# Altium PCB IntelligentCarFor51PcbDoc.PcbDoc (part 5 of 14) (continued)
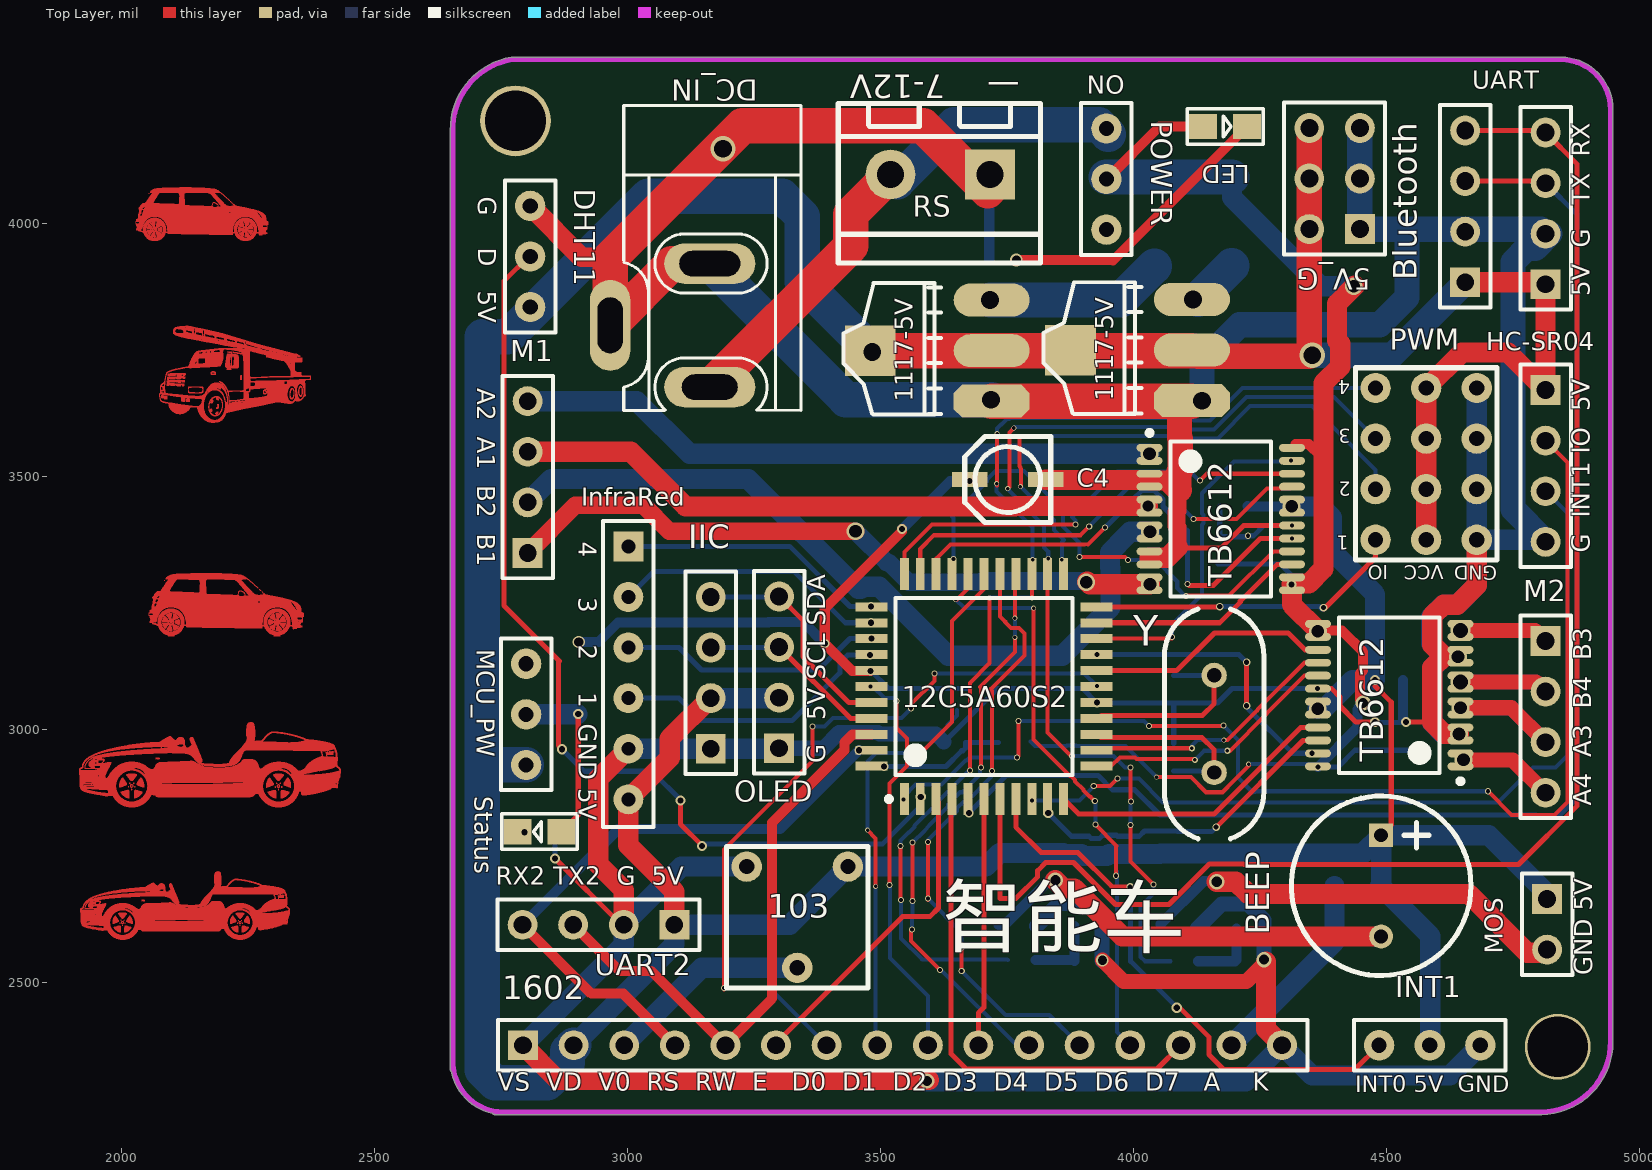
[diagram p0: Top Layer view]
## Nets (pads, with @x,y where several pads share a name; then routed paths per layer and width w, separated by ;. In a path a pad name is that pad's centre, name@x,y a point inside that pad or via, vN(x,y) a via of type N, cw(c..) or ccw(c..) an arc to the next point about the centre after c; other vN are vias at no path point) (continued)
; 2218,4004.5 2225.5,4004.5 ; 2218.1,3716.5 2231.3,3716.5 ; 2218.1,3741.7 2225,3741.7 ; 2218.1,3742 2219.3,3742 ; 2218.1,3742.3 2219.3,3742.3 ; 2218.1,3742.6 2219.3,3742.6 ; 2218.1,3742.9 2219.3,3742.9 ; 2218.1,3743.2 2219.3,3743.2 ; 2218.1,3743.5 2219.3,3743.5 ; 2218.1,3743.8 2219.3,3743.8 ; 2218.1,3744.1 2219.3,3744.1 ; 2218.1,3744.4 2219.3,3744.4 ; 2218.1,3751 2263.7,3751 ; 2218.3,4005.1 2225.8,4005.1 ; 2218.3,4033.3 2236.3,4033.3 ; 2218.3,4041.7 2218.6,4041.7 ; 2218.4,3716.2 2231,3716.2 ; 2218.4,3763.9 2228.9,3763.9 ; 2218.6,4034.8 2224.3,4034.8 ; 2218.6,4041.1 2218.9,4041.1 ; 2218.7,3715.6 2230.7,3715.6 ; 2218.7,3715.9 2231,3715.9 ; 2218.7,3770.8 2239.7,3770.8 ; 2218.9,4031.5 2245.3,4031.5 ; 2219,3646.6 2226.8,3646.6 ; 2219,3760.6 2225.6,3760.6 ; 2219.2,4006.6 2227,4006.6 ; 2219.3,3715.3 2230.4,3715.3 ; 2219.6,3757.3 2254.4,3757.3 ; 2219.6,3763.6 2230.1,3763.6 ; 2219.8,3988.6 2220.4,3988.6 ; 2219.8,4007.8 2224.9,4007.8 ; 2219.9,3753.7 2234.6,3753.7 ; 2220.1,4008.4 2225.5,4008.4 ; 2220.1,4039.9 2220.4,4039.9 ; 2220.2,3715 2228.9,3715 ; 2220.2,3750.7 2264.9,3750.7 ; 2220.2,3770.5 2240.6,3770.5 ; 2220.4,4008.7 2225.8,4008.7 ; 2220.4,4039.6 2220.7,4039.6 ; 2220.5,3742 2223.5,3742 ; 2220.5,3760.3 2227.1,3760.3 ; 2220.7,4000 2223.1,4000 ; 2220.7,4000.3 2223.1,4000.3 ; 2220.7,4009.3 2226.4,4009.3 ; 2220.7,4033.6 2234.5,4033.6 ; 2220.7,4035.1 2224.9,4035.1 ; 2220.7,4039.3 2221,4039.3 ; 2220.8,3646.9 2228.9,3646.9 ; 2220.8,3719.2 2231.6,3719.2 ; 2220.8,3738.4 2231.3,3738.4 ; 2220.8,3763.3 2231.3,3763.3 ; 2221,4009.6 2226.7,4009.6 ; 2221,4039 2221.3,4039 ; 2221.1,3719.5 2231.6,3719.5 ; 2221.1,3745.6 2226.8,3745.6 ; 2221.1,3745.9 2224.7,3745.9 ; 2221.3,4001.5 2223.7,4001.5 ; 2221.3,4009.9 2230.3,4009.9 ; 2221.3,4010.2 2227.3,4010.2 ; 2221.3,4038.7 2221.6,4038.7 ; 2221.4,3719.8 2231.9,3719.8 ; 2221.4,3745.3 2228.6,3745.3 ; 2221.4,3746.2 2222,3746.2 ; 2221.4,3757 2244.2,3757 ; 2221.4,3760 2228.9,3760 ; 2221.4,3770.2 2241.8,3770.2 ; 2221.6,4002.1 2224,4002.1 ; 2221.6,4002.4 2224,4002.4 ; 2221.6,4010.5 2227.6,4010.5 ; 2221.6,4021.3 2221.9,4021.3 ; 2221.6,4024.3 2265.1,4024.3 ; 2221.6,4038.4 2221.9,4038.4 ; 2221.7,3720.1 2231.9,3720.1 ; 2221.7,3720.4 2231.9,3720.4 ; 2221.7,3720.7 2231.9,3720.7 ; 2221.7,3738.1 2231.3,3738.1 ; 2221.9,4002.7 2224.3,4002.7 ; 2221.9,4010.8 2231.8,4010.8 ; 2221.9,4035.4 2225.5,4035.4 ; 2221.9,4038.1 2222.2,4038.1 ; 2222,3644.2 2289.8,3644.2 ; 2222,3650.8 2231.9,3650.8 ; 2222,3721 2231.9,3721 ; 2222,3721.3 2231.9,3721.3 ; 2222,3721.6 2231.9,3721.6 ; 2222,3721.9 2231.9,3721.9 ; 2222,3722.2 2231.9,3722.2 ; 2222.2,4003.3 2224.6,4003.3 ; 2222.2,4024 2265.4,4024 ; 2222.2,4030.6 2228.2,4030.6 ; 2222.2,4030.9 2223.4,4030.9 ; 2222.2,4033.9 2233,4033.9 ; 2222.3,3722.5 2231.9,3722.5 ; 2222.3,3722.8 2231.9,3722.8 ; 2222.3,3723.1 2231.9,3723.1 ; 2222.3,3723.4 2231.9,3723.4 ; 2222.3,3723.7 2231.9,3723.7 ; 2222.3,3724 2231.9,3724 ; 2222.3,3724.3 2231.9,3724.3 ; 2222.3,3724.6 2231.9,3724.6 ; 2222.3,3724.9 2231.9,3724.9 ; 2222.3,3725.2 2231.9,3725.2 ; 2222.3,3725.5 2231.6,3725.5 ; 2222.3,3737.8 2231.3,3737.8 ; 2222.3,3750.4 2266.1,3750.4 ; 2222.3,3763 2232.8,3763 ; 2222.5,4003.9 2224.9,4003.9 ; 2222.5,4037.5 2222.8,4037.5 ; 2222.5,4037.8 2222.8,4037.8 ; 2222.6,3725.8 2231.6,3725.8 ; 2222.6,3726.1 2231.6,3726.1 ; 2222.6,3726.4 2231.6,3726.4 ; 2222.6,3726.7 2231.6,3726.7 ; 2222.6,3727 2231.6,3727 ; 2222.6,3727.3 2231.6,3727.3 ; 2222.6,3727.6 2231.6,3727.6 ; 2222.6,3727.9 2231.6,3727.9 ; 2222.6,3728.2 2231.6,3728.2 ; 2222.6,3728.5 2231.6,3728.5 ; 2222.6,3728.8 2231.6,3728.8 ; 2222.6,3729.1 2231.6,3729.1 ; 2222.6,3729.4 2231.6,3729.4 ; 2222.6,3729.7 2231.6,3729.7 ; 2222.6,3730 2231.6,3730 ; 2222.6,3736.9 2231.6,3736.9 ; 2222.6,3737.2 2231.6,3737.2 ; 2222.6,3737.5 2231.3,3737.5 ; 2222.6,3745 2230.4,3745 ; 2222.6,3769.9 2242.7,3769.9 ; 2222.8,3983.5 2224.6,3983.5 ; 2222.8,3986.5 2224,3986.5 ; 2222.8,3986.8 2224,3986.8 ; 2222.8,3987.1 2224,3987.1 ; 2222.8,3987.4 2224,3987.4 ; 2222.8,3987.7 2224,3987.7 ; 2222.8,3988 2224,3988 ; 2222.8,3988.3 2224,3988.3 ; 2222.8,3988.6 2224,3988.6 ; 2222.8,3988.9 2224,3988.9 ; 2222.8,3989.2 2224,3989.2 ; 2222.8,3989.5 2224,3989.5 ; 2222.8,3989.8 2224,3989.8 ; 2222.8,3990.1 2224,3990.1 ; 2222.8,3990.4 2224,3990.4 ; 2222.8,3990.7 2224,3990.7 ; 2222.8,3991 2224,3991 ; 2222.8,3991.3 2224,3991.3 ; 2222.8,3991.6 2224,3991.6 ; 2222.8,4022.2 2223.4,4022.2 ; 2222.8,4023.7 2228.2,4023.7 ; 2222.8,4030 2235.4,4030 ; 2222.9,3647.2 2230.7,3647.2 ; 2222.9,3730.3 2231.6,3730.3 ; 2222.9,3730.6 2231.6,3730.6 ; 2222.9,3730.9 2231.9,3730.9 ; 2222.9,3731.2 2231.9,3731.2 ; 2222.9,3731.5 2231.9,3731.5 ; 2222.9,3731.8 2231.9,3731.8 ; 2222.9,3732.1 2231.9,3732.1 ; 2222.9,3732.4 2231.9,3732.4 ; 2222.9,3732.7 2231.9,3732.7 ; 2222.9,3733 2231.9,3733 ; 2222.9,3733.3 2231.9,3733.3 ; 2222.9,3733.6 2231.9,3733.6 ; 2222.9,3733.9 2231.9,3733.9 ; 2222.9,3734.2 2231.6,3734.2 ; 2222.9,3734.5 2231.6,3734.5 ; 2222.9,3734.8 2231.6,3734.8 ; 2222.9,3735.1 2231.6,3735.1 ; 2222.9,3735.4 2231.6,3735.4 ; 2222.9,3735.7 2231.6,3735.7 ; 2222.9,3736 2231.6,3736 ; 2222.9,3736.3 2231.6,3736.3 ; 2222.9,3736.6 2231.6,3736.6 ; 2222.9,3759.7 2230.4,3759.7 ; 2223.1,3984.7 2224.3,3984.7 ; 2223.1,3985 2224.3,3985 ; 2223.1,3985.3 2224.3,3985.3 ; 2223.1,3985.6 2224.3,3985.6 ; 2223.1,3985.9 2224.3,3985.9 ; 2223.1,3986.2 2224,3986.2 ; 2223.1,3991.9 2224,3991.9 ; 2223.1,3992.2 2224.3,3992.2 ; 2223.1,3992.5 2224.3,3992.5 ; 2223.1,3992.8 2224.3,3992.8 ; 2223.1,3993.1 2224.3,3993.1 ; 2223.1,3993.4 2224.3,3993.4 ; 2223.1,3993.7 2224.3,3993.7 ; 2223.1,4004.8 2225.5,4004.8 ; 2223.1,4012.3 2230,4012.3 ; 2223.1,4021.3 2230.3,4021.3 ; 2223.1,4023.4 2228.5,4023.4 ; 2223.1,4029.7 2238.7,4029.7 ; 2223.1,4035.7 2225.2,4035.7 ; 2223.1,4037.2 2223.4,4037.2 ; 2223.2,3756.7 2244.2,3756.7 ; 2223.4,3983.8 2224.6,3983.8 ; 2223.4,3984.1 2224.6,3984.1 ; 2223.4,3984.4 2224.3,3984.4 ; 2223.4,3994 2224.6,3994 ; 2223.4,3994.3 2224.6,3994.3 ; 2223.4,3994.6 2224.6,3994.6 ; 2223.4,3994.9 2224.9,3994.9 ; 2223.4,4005.4 2226.1,4005.4 ; 2223.4,4012.6 2230.3,4012.6 ; 2223.4,4021.6 2230.3,4021.6 ; 2223.4,4023.1 2228.8,4023.1 ; 2223.4,4029.4 2241.7,4029.4 ; 2223.4,4034.2 2231.2,4034.2 ; 2223.4,4036.9 2223.7,4036.9 ; 2223.5,3762.7 2234.3,3762.7 ; 2223.5,3769.6 2243.6,3769.6 ; 2223.7,3982.3 2224.9,3982.3 ; 2223.7,3995.2 2224.9,3995.2 ; 2223.7,3995.5 2224.9,3995.5 ; 2223.7,3995.8 2224.9,3995.8 ; 2223.7,4012.9 2236,4012.9 ; 2223.7,4021.9 2230,4021.9 ; 2223.7,4022.2 2229.7,4022.2 ; 2223.7,4022.5 2229.4,4022.5 ; 2223.7,4022.8 2229.1,4022.8 ; 2223.7,4029.1 2244.4,4029.1 ; 2223.7,4031.2 2246.5,4031.2 ; 2223.7,4036.6 2224,4036.6 ; 2223.8,3759.4 2231.9,3759.4 ; 2224,3981.4 2225.5,3981.4 ; 2224,3981.7 2225.2,3981.7 ; 2224,3982 2225.2,3982 ; 2224,3996.1 2225.2,3996.1 ; 2224,3996.4 2225.2,3996.4 ; 2224,3996.7 2225.5,3996.7 ; 2224,4006.3 2226.7,4006.3 ; 2224,4013.2 2231.2,4013.2 ; 2224,4028.8 2246.8,4028.8 ; 2224,4036 2224.6,4036 ; 2224,4036.3 2224.3,4036.3 ; 2224.1,3750.1 2267.3,3750.1 ; 2224.1,3769.3 2244.5,3769.3 ; 2224.3,3980.8 2225.5,3980.8 ; 2224.3,3981.1 2225.5,3981.1 ; 2224.3,3987.4 2228.5,3987.4 ; 2224.3,3987.7 2228.5,3987.7 ; 2224.3,3988 2228.5,3988 ; 2224.3,3988.3 2228.5,3988.3 ; 2224.3,3988.6 2228.5,3988.6 ; 2224.3,3988.9 2228.5,3988.9 ; 2224.3,3989.2 2228.5,3989.2 ; 2224.3,3989.5 2228.5,3989.5 ; 2224.3,3989.8 2228.5,3989.8 ; 2224.3,3990.1 2228.5,3990.1 ; 2224.3,3990.4 2228.5,3990.4 ; 2224.3,3990.7 2228.5,3990.7 ; 2224.3,3997 2225.5,3997 ; 2224.3,3997.3 2225.5,3997.3 ; 2224.3,4013.5 2231.8,4013.5 ; 2224.3,4034.5 2229.7,4034.5 ; 2224.4,3769 2245.7,3769 ; 2224.6,3980.2 2225.8,3980.2 ; 2224.6,3980.5 2225.8,3980.5 ; 2224.6,3985.6 2228.8,3985.6 ; 2224.6,3985.9 2228.8,3985.9 ; 2224.6,3986.2 2228.8,3986.2 ; 2224.6,3986.5 2228.8,3986.5 ; 2224.6,3986.8 2228.8,3986.8 ; 2224.6,3987.1 2228.8,3987.1 ; 2224.6,3991 2228.8,3991 ; 2224.6,3991.3 2228.8,3991.3 ; 2224.6,3991.6 2228.8,3991.6 ; 2224.6,3991.9 2228.8,3991.9 ; 2224.6,3992.2 2228.8,3992.2 ; 2224.6,3992.5 2228.8,3992.5 ; 2224.6,3992.8 2229.1,3992.8 ; 2224.6,3997.6 2225.8,3997.6 ; 2224.6,3997.9 2225.8,3997.9 ; 2224.6,3998.2 2226.1,3998.2 ; 2224.7,3754 2239.1,3754 ; 2224.7,3758.8 2235.2,3758.8 ; 2224.7,3759.1 2233.4,3759.1 ; 2224.7,3762.4 2235.5,3762.4 ; 2224.7,3765.4 2227.7,3765.4 ; 2224.7,3767.5 2227.7,3767.5 ; 2224.7,3767.8 2227.7,3767.8 ; 2224.7,3768.1 2228,3768.1 ; 2224.7,3768.4 2228,3768.4 ; 2224.7,3768.7 2244.2,3768.7 ; 2224.9,3979.3 2226.4,3979.3 ; 2224.9,3979.6 2226.1,3979.6 ; 2224.9,3979.9 2226.1,3979.9 ; 2224.9,3984.1 2229.4,3984.1 ; 2224.9,3984.4 2229.1,3984.4 ; 2224.9,3984.7 2229.1,3984.7 ; 2224.9,3985 2229.1,3985 ; 2224.9,3985.3 2229.1,3985.3 ; 2224.9,3993.1 2229.1,3993.1 ; 2224.9,3993.4 2229.1,3993.4 ; 2224.9,3993.7 2229.1,3993.7 ; 2224.9,3994 2229.4,3994 ; 2224.9,3994.3 2229.4,3994.3 ; 2224.9,3998.5 2226.1,3998.5 ; 2224.9,3998.8 2226.4,3998.8 ; 2224.9,4007.5 2227.6,4007.5 ; 2225,3644.5 2291,3644.5 ; 2225,3647.5 2232.8,3647.5 ; 2225,3744.7 2232.2,3744.7 ; 2225,3765.7 2227.7,3765.7 ; 2225,3766 2227.7,3766 ; 2225,3766.3 2227.7,3766.3 ; 2225,3766.6 2227.7,3766.6 ; 2225,3766.9 2227.7,3766.9 ; 2225,3767.2 2227.7,3767.2 ; 2225.2,3978.7 2226.7,3978.7 ; 2225.2,3979 2226.4,3979 ; 2225.2,3982.9 2229.7,3982.9 ; 2225.2,3983.2 2229.7,3983.2 ; 2225.2,3983.5 2229.4,3983.5 ; 2225.2,3983.8 2229.4,3983.8 ; 2225.2,3994.6 2229.4,3994.6 ; 2225.2,3994.9 2229.7,3994.9 ; 2225.2,3995.2 2229.7,3995.2 ; 2225.2,3999.1 2226.4,3999.1 ; 2225.2,3999.4 2226.7,3999.4 ; 2225.2,4007.8 2227.9,4007.8 ; 2225.2,4034.8 2228.2,4034.8 ; 2225.3,3756.4 2244.8,3756.4 ; 2225.5,3978.1 2227,3978.1 ; 2225.5,3978.4 2226.7,3978.4 ; 2225.5,3982 2230,3982 ; 2225.5,3982.3 2230,3982.3 ; 2225.5,3982.6 2230,3982.6 ; 2225.5,3995.5 2229.7,3995.5 ; 2225.5,3995.8 2230,3995.8 ; 2225.5,3996.1 2230,3996.1 ; 2225.5,3999.7 2226.7,3999.7 ; 2225.5,4000 2227,4000 ; 2225.5,4008.1 2228.2,4008.1 ; 2225.5,4014.4 2233.6,4014.4 ; 2225.5,4027 2258.5,4027 ; 2225.5,4035.1 2226.4,4035.1 ; 2225.6,3651.1 2234,3651.1 ; 2225.6,3749.8 2268.5,3749.8 ; 2225.8,3977.8 2227.3,3977.8 ; 2225.8,3981.4 2230.3,3981.4 ; 2225.8,3981.7 2230.3,3981.7 ; 2225.8,3996.4 2230.3,3996.4 ; 2225.8,3996.7 2230.3,3996.7 ; 2225.8,3997 2230.6,3997 ; 2225.8,4000.3 2227.3,4000.3 ; 2225.8,4008.4 2228.5,4008.4 ; 2225.8,4014.7 2234.5,4014.7 ; 2225.8,4026.7 2260,4026.7 ; 2225.9,3762.1 2236.7,3762.1 ; 2226.1,3977.2 2227.6,3977.2 ; 2226.1,3977.5 2227.3,3977.5 ; 2226.1,3980.5 2230.9,3980.5 ; 2226.1,3980.8 2230.9,3980.8 ; 2226.1,3981.1 2230.6,3981.1 ; 2226.1,3997.3 2230.6,3997.3 ; 2226.1,3997.6 2230.9,3997.6 ; 2226.1,4000.6 2227.3,4000.6 ; 2226.1,4000.9 2227.6,4000.9 ; 2226.1,4008.7 2228.8,4008.7 ; 2226.1,4015 2271.4,4015 ; 2226.1,4026.4 2261.2,4026.4 ; 2226.4,3976.9 2227.9,3976.9 ; 2226.4,3979.9 2231.2,3979.9 ; 2226.4,3980.2 2231.2,3980.2 ; 2226.4,3997.9 2231.2,3997.9 ; 2226.4,3998.2 2231.2,3998.2 ; 2226.4,4001.2 2227.6,4001.2 ; 2226.4,4001.5 2227.9,4001.5 ; 2226.4,4009 2229.1,4009 ; 2226.4,4015.3 2235.7,4015.3 ; 2226.7,3976.3 2228.2,3976.3 ; 2226.7,3976.6 2227.9,3976.6 ; 2226.7,3979.3 2231.8,3979.3 ; 2226.7,3979.6 2231.5,3979.6 ; 2226.7,3998.5 2231.5,3998.5 ; 2226.7,3998.8 2231.8,3998.8 ; 2226.7,4001.8 2228.2,4001.8 ; 2226.7,4009.3 2229.7,4009.3 ; 2226.8,3756.1 2245.7,3756.1 ; 2227,3976 2228.5,3976 ; 2227,3979 2232.1,3979 ; 2227,3999.1 2232.1,3999.1 ; 2227,3999.4 2232.1,3999.4 ; 2227,4002.1 2228.2,4002.1 ; 2227,4009.6 2230,4009.6 ; 2227,4025.5 2264.8,4025.5 ; 2227.1,3647.8 2234.9,3647.8 ; 2227.1,3744.4 2234,3744.4 ; 2227.1,3749.5 2269.7,3749.5 ; 2227.3,3975.4 2228.8,3975.4 ; 2227.3,3975.7 2228.8,3975.7 ; 2227.3,3978.4 2232.4,3978.4 ; 2227.3,3978.7 2232.1,3978.7 ; 2227.3,3999.7 2232.4,3999.7 ; 2227.3,4000 2232.7,4000 ; 2227.3,4002.4 2228.5,4002.4 ; 2227.3,4002.7 2228.8,4002.7 ; 2227.3,4015.9 2235.4,4015.9 ; 2227.3,4025.2 2265.1,4025.2 ; 2227.4,3761.8 2237.9,3761.8 ; 2227.6,3975.1 2229.1,3975.1 ; 2227.6,3977.8 2233,3977.8 ; 2227.6,3978.1 2232.7,3978.1 ; 2227.6,4000.3 2233,4000.3 ; 2227.6,4003 2229.1,4003 ; 2227.6,4010.2 2230.9,4010.2 ; 2227.6,4024.9 2265.1,4024.9 ; 2227.6,4030.9 2248.3,4030.9 ; 2227.7,3644.8 2292.5,3644.8 ; 2227.9,3974.8 2229.4,3974.8 ; 2227.9,3977.5 2233.3,3977.5 ; 2227.9,4000.6 2233.3,4000.6 ; 2227.9,4003.3 2229.4,4003.3 ; 2227.9,4010.5 2231.2,4010.5 ; 2228.2,3974.5 2229.7,3974.5 ; 2228.2,3976.9 2233.9,3976.9 ; 2228.2,3977.2 2233.6,3977.2 ; 2228.2,4000.9 2233.3,4000.9 ; 2228.2,4001.2 2233.9,4001.2 ; 2228.2,4003.6 2229.7,4003.6 ; 2228.2,4016.5 2234.8,4016.5 ; 2228.5,3974.2 2230,3974.2 ; 2228.5,3976.6 2234.2,3976.6 ; 2228.5,4001.5 2234.2,4001.5 ; 2228.5,4003.9 2230,4003.9 ; 2228.5,4004.2 2230.3,4004.2 ; 2228.5,4011.1 2232.1,4011.1 ; 2228.5,4023.7 2265.4,4023.7 ; 2228.6,3651.4 2236.1,3651.4 ; 2228.6,3749.2 2270.9,3749.2 ; 2228.6,3754.3 2243.3,3754.3 ; 2228.6,3755.8 2259.8,3755.8 ; 2228.6,3761.5 2238.8,3761.5 ; 2228.8,3973.9 2230.3,3973.9 ; 2228.8,3976.3 2234.5,3976.3 ; 2228.8,4001.8 2234.5,4001.8 ; 2228.8,4002.1 2234.8,4002.1 ; 2228.8,4004.5 2230.6,4004.5 ; 2228.8,4016.8 2234.5,4016.8 ; 2228.8,4023.4 2265.4,4023.4 ; 2229.1,3973.6 2230.6,3973.6 ; 2229.1,3975.7 2235.1,3975.7 ; 2229.1,3976 2234.8,3976 ; 2229.1,4002.4 2235.1,4002.4 ; 2229.1,4004.8 2230.9,4004.8 ; 2229.1,4023.1 2265.7,4023.1 ; 2229.2,3648.1 2236.7,3648.1 ; 2229.2,3744.1 2235.5,3744.1 ; 2229.4,3973 2231.2,3973 ; 2229.4,3973.3 2230.9,3973.3 ; 2229.4,3975.4 2235.7,3975.4 ; 2229.4,4002.7 2235.7,4002.7 ; 2229.4,4005.1 2231.2,4005.1 ; 2229.4,4011.7 2233.3,4011.7 ; 2229.4,4022.8 2265.7,4022.8 ; 2229.7,3972.7 2231.5,3972.7 ; 2229.7,3975.1 2236,3975.1 ; 2229.7,4003 2236,4003 ; 2229.7,4005.4 2231.5,4005.4 ; 2229.7,4012 2233.9,4012 ; 2229.7,4022.5 2266,4022.5 ; 2230,3974.8 2236.6,3974.8 ; 2230,4003.3 2236.6,4003.3 ; 2230,4005.7 2231.8,4005.7 ; 2230,4017.4 2260.9,4017.4 ; 2230,4022.2 2266,4022.2 ; 2230.1,3645.1 2294,3645.1 ; 2230.1,3748.9 2272.4,3748.9 ; 2230.1,3755.5 2260.7,3755.5 ; 2230.1,3761.2 2240,3761.2 ; 2230.1,3768.4 2244.2,3768.4 ; 2230.3,3972.4 2232.1,3972.4 ; 2230.3,3974.5 2237.2,3974.5 ; 2230.3,4003.6 2236.9,4003.6 ; 2230.3,4012.3 2234.5,4012.3 ; 2230.3,4017.7 2233.9,4017.7 ; 2230.3,4021.9 2266.3,4021.9 ; 2230.6,3972.1 2232.4,3972.1 ; 2230.6,3974.2 2237.8,3974.2 ; 2230.6,3986.8 2238.1,3986.8 ; 2230.6,3987.1 2238.7,3987.1 ; 2230.6,3987.4 2239,3987.4 ; 2230.6,3987.7 2238.7,3987.7 ; 2230.6,3988 2238.7,3988 ; 2230.6,3988.3 2238.7,3988.3 ; 2230.6,3988.6 2238.7,3988.6 ; 2230.6,3988.9 2238.7,3988.9 ; 2230.6,3989.2 2238.7,3989.2 ; 2230.6,3989.5 2238.7,3989.5 ; 2230.6,3989.8 2238.7,3989.8 ; 2230.6,3990.1 2238.7,3990.1 ; 2230.6,3990.4 2238.7,3990.4 ; 2230.6,3990.7 2238.7,3990.7 ; 2230.6,3991 2238.1,3991 ; 2230.6,3991.3 2237.2,3991.3 ; 2230.6,4003.9 2237.5,4003.9 ; 2230.6,4006 2232.4,4006 ; 2230.6,4012.6 2235.4,4012.6 ; 2230.6,4021.3 2266.6,4021.3 ; 2230.6,4021.6 2266.6,4021.6 ; 2230.9,3971.8 2232.7,3971.8 ; 2230.9,3973.9 2238.4,3973.9 ; 2230.9,3985.6 2235.7,3985.6 ; 2230.9,3985.9 2236.3,3985.9 ; 2230.9,3986.2 2236.9,3986.2 ; 2230.9,3986.5 2237.5,3986.5 ; 2230.9,3991.6 2236.6,3991.6 ; 2230.9,3991.9 2236,3991.9 ; 2230.9,3992.2 2235.4,3992.2 ; 2230.9,3992.5 2234.8,3992.5 ; 2230.9,3992.8 2234.2,3992.8 ; 2230.9,4004.2 2238.1,4004.2 ; 2230.9,4006.3 2232.7,4006.3 ; 2230.9,4018 2233.6,4018 ; 2230.9,4021 2266.9,4021 ; 2231,3648.4 2238.8,3648.4 ; 2231,3651.7 2237.9,3651.7 ; 2231.2,3971.5 2233.3,3971.5 ; 2231.2,3973.6 2239,3973.6 ; 2231.2,3984.4 2233.3,3984.4 ; 2231.2,3984.7 2233.9,3984.7 ; 2231.2,3985 2234.5,3985 ; 2231.2,3985.3 2235.1,3985.3 ; 2231.2,3993.1 2233.6,3993.1 ; 2231.2,3993.4 2233,3993.4 ; 2231.2,3993.7 2232.1,3993.7 ; 2231.2,4004.5 2238.7,4004.5 ; 2231.2,4006.6 2233.3,4006.6 ; 2231.3,3743.8 2253.8,3743.8 ; 2231.3,3748.6 2254.1,3748.6 ; 2231.3,3754.6 2246,3754.6 ; 2231.3,3755.2 2262.2,3755.2 ; 2231.5,3971.2 2233.6,3971.2 ; 2231.5,3973.3 2239.6,3973.3 ; 2231.5,3983.8 2232.1,3983.8 ; 2231.5,3984.1 2232.7,3984.1 ; 2231.5,4004.8 2239.6,4004.8 ; 2231.5,4006.9 2233.6,4006.9 ; 2231.5,4013.2 2237.2,4013.2 ; 2231.5,4020.4 2267.2,4020.4 ; 2231.6,3760.9 2240.9,3760.9 ; 2231.6,3768.1 2243.9,3768.1 ; 2231.8,4005.1 2240.5,4005.1 ; 2231.8,4020.1 2267.5,4020.1 ; 2232.1,3970.9 2234.2,3970.9 ; 2232.1,3973 2240.8,3973 ; 2232.1,4005.4 2241.7,4005.4 ; 2232.1,4007.2 2234.2,4007.2 ; 2232.1,4013.5 2238.1,4013.5 ; 2232.1,4019.8 2267.5,4019.8 ; 2232.1,4030.6 2249.5,4030.6 ; 2232.2,3645.4 2295.2,3645.4 ; 2232.2,3748.3 2254.1,3748.3 ; 2232.2,3754.9 2263.1,3754.9 ; 2232.4,3970.6 2234.5,3970.6 ; 2232.4,3972.7 2242,3972.7 ; 2232.4,4007.5 2234.5,4007.5 ; 2232.4,4018.6 2233,4018.6 ; 2232.4,4019.5 2267.8,4019.5 ; 2232.7,3970.3 2235.1,3970.3 ; 2232.7,3972.4 2244.4,3972.4 ; 2232.7,3996.4 2242,3996.4 ; 2232.7,3996.7 2242,3996.7 ; 2232.7,3997 2242,3997 ; 2232.7,4005.7 2244.1,4005.7 ; 2232.7,4007.8 2235.1,4007.8 ; 2232.7,4013.8 2239.6,4013.8 ; 2232.8,3743.5 2253.8,3743.5 ; 2232.8,3767.8 2243.9,3767.8 ; 2233,3972.1 2257.6,3972.1 ; 2233,3980.8 2242,3980.8 ; 2233,3981.1 2242,3981.1 ; 2233,3981.4 2242.3,3981.4 ; 2233,3996.1 2242.3,3996.1 ; 2233,3997.3 2242,3997.3 ; 2233,4006 2257.6,4006 ; 2233,4018.9 2257.6,4018.9 ; 2233.3,3970 2235.7,3970 ; 2233.3,3980.5 2242,3980.5 ; 2233.3,3997.6 2241.7,3997.6 ; 2233.3,4006.3 2257,4006.3 ; 2233.3,4008.1 2235.7,4008.1 ; 2233.3,4018.6 2268.4,4018.6 ; 2233.4,3648.7 2240.6,3648.7 ; 2233.4,3652 2239.7,3652 ; 2233.4,3670 2246,3670 ; 2233.4,3748 2254.1,3748 ; 2233.4,3760.6 2244.5,3760.6 ; 2233.6,3971.8 2257,3971.8 ; 2233.6,3980.2 2242,3980.2 ; 2233.6,3981.7 2242.3,3981.7 ; 2233.6,3995.8 2242.3,3995.8 ; 2233.6,3997.9 2241.7,3997.9 ; 2233.6,4008.4 2236.3,4008.4 ; 2233.6,4018.3 2268.7,4018.3 ; 2233.9,3969.7 2236.3,3969.7 ; 2233.9,3971.5 2256.7,3971.5 ; 2233.9,3979.6 2241.7,3979.6 ; 2233.9,3979.9 2242,3979.9 ; 2233.9,3998.2 2241.7,3998.2 ; 2233.9,3998.5 2241.7,3998.5 ; 2233.9,4006.6 2256.7,4006.6 ; 2233.9,4014.4 2236.6,4014.4 ; 2233.9,4018 2259.7,4018 ; 2234,3767.5 2243.9,3767.5 ; 2234.2,3979.3 2241.7,3979.3 ; 2234.2,3982 2242.3,3982 ; 2234.2,3998.8 2241.4,3998.8 ; 2234.2,4008.7 2236.9,4008.7 ; 2234.2,4017.7 2260.3,4017.7 ; 2234.3,3645.7 2296.4,3645.7 ; 2234.3,3747.7 2254.1,3747.7 ; 2234.5,3969.4 2236.9,3969.4 ; 2234.5,3971.2 2256.1,3971.2 ; 2234.5,3979 2241.7,3979 ; 2234.5,3995.5 2242.3,3995.5 ; 2234.5,3999.1 2241.4,3999.1 ; 2234.5,4006.9 2256.1,4006.9 ; 2234.5,4017.1 2261.5,4017.1 ; 2234.6,3668.8 2246.9,3668.8 ; 2234.6,3694 2238.2,3694 ; 2234.6,3694.3 2238.2,3694.3 ; 2234.6,3694.6 2238.2,3694.6 ; 2234.6,3694.9 2238.2,3694.9 ; 2234.6,3695.2 2238.2,3695.2 ; 2234.6,3695.5 2238.2,3695.5 ; 2234.6,3695.8 2238.2,3695.8 ; 2234.6,3696.1 2238.2,3696.1 ; 2234.6,3696.4 2238.2,3696.4 ; 2234.6,3696.7 2238.2,3696.7 ; 2234.6,3697 2238.2,3697 ; 2234.6,3697.3 2238.2,3697.3 ; 2234.6,3743.2 2253.8,3743.2 ; 2234.6,3760.3 2244.8,3760.3 ; 2234.8,3969.1 2237.8,3969.1 ; 2234.8,3970.9 2255.5,3970.9 ; 2234.8,3978.7 2241.7,3978.7 ; 2234.8,3982.3 2242.3,3982.3 ; 2234.8,3999.4 2241.4,3999.4 ; 2234.8,4007.2 2255.5,4007.2 ; 2234.8,4009 2237.5,4009 ; 2234.8,4014.7 2236.6,4014.7 ; 2234.8,4016.8 2262.1,4016.8 ; 2234.9,3693.1 2238.2,3693.1 ; 2234.9,3693.4 2238.2,3693.4 ; 2234.9,3693.7 2238.2,3693.7 ; 2234.9,3697.6 2238.2,3697.6 ; 2234.9,3697.9 2238.2,3697.9 ; 2234.9,3698.2 2238.2,3698.2 ; 2235.1,3978.4 2241.7,3978.4 ; 2235.1,3995.2 2242.3,3995.2 ; 2235.1,3999.7 2241.4,3999.7 ; 2235.1,4016.5 2262.4,4016.5 ; 2235.1,4030.3 2251,4030.3 ; 2235.2,3649 2242.7,3649 ; 2235.2,3652.3 2330.3,3652.3 ; 2235.2,3692.5 2237.9,3692.5 ; 2235.2,3692.8 2238.2,3692.8 ; 2235.2,3698.5 2238.2,3698.5 ; 2235.2,3698.8 2237.9,3698.8 ; 2235.2,3699.1 2237.9,3699.1 ; 2235.2,3747.4 2254.1,3747.4 ; 2235.2,3767.2 2243.9,3767.2 ; 2235.4,3970.6 2254.9,3970.6 ; 2235.4,3978.1 2241.4,3978.1 ; 2235.4,4000 2241.1,4000 ; 2235.4,4007.5 2255.2,4007.5 ; 2235.4,4009.3 2238.4,4009.3 ; 2235.4,4016.2 2263,4016.2 ; 2235.5,3692.2 2237.6,3692.2 ; 2235.5,3699.4 2237.9,3699.4 ; 2235.5,3699.7 2237.9,3699.7 ; 2235.7,3968.8 2238.7,3968.8 ; 2235.7,3977.8 2241.4,3977.8 ; 2235.7,3982.6 2242.3,3982.6 ; 2235.7,3994.9 2242,3994.9 ; 2235.7,4000.3 2241.1,4000.3 ; 2235.7,4015.9 2270.5,4015.9 ; 2235.8,3747.1 2254.1,3747.1 ; 2236,3970.3 2254.3,3970.3 ; 2236,4000.6 2241.1,4000.6 ; 2236,4007.8 2254.6,4007.8 ; 2236,4009.6 2239.6,4009.6 ; 2236,4015.6 2263.9,4015.6 ; 2236.1,3700 2237.6,3700 ; 2236.1,3760 2244.8,3760 ; 2236.3,3968.5 2239.6,3968.5 ; 2236.3,3977.5 2241.4,3977.5 ; 2236.3,3982.9 2242.6,3982.9 ; 2236.3,4015.3 2264.2,4015.3 ; 2236.4,3646 2297.9,3646 ; 2236.4,3691.9 2236.7,3691.9 ; 2236.4,3742.9 2253.8,3742.9 ; 2236.4,3746.8 2254.1,3746.8 ; 2236.4,3766.9 2243.9,3766.9 ; 2236.6,3977.2 2241.4,3977.2 ; 2236.6,3994.6 2241.7,3994.6 ; 2236.6,4000.9 2241.1,4000.9 ; 2236.6,4008.1 2253.7,4008.1 ; 2236.9,3968.2 2240.8,3968.2 ; 2236.9,3970 2253.7,3970 ; 2236.9,3976.9 2241.4,3976.9 ; 2236.9,3983.2 2242.3,3983.2 ; 2236.9,4001.2 2241.1,4001.2 ; 2236.9,4009.9 2240.5,4009.9 ; 2236.9,4014.4 2244.7,4014.4 ; 2236.9,4014.7 2257.3,4014.7 ; 2237,3746.5 2254.1,3746.5 ; 2237,3759.7 2247.2,3759.7 ; 2237.2,3994.3 2241.1,3994.3 ; 2237.2,4014.1 2241.4,4014.1 ; 2237.3,3652.6 2330.3,3652.6 ; 2237.3,3758.8 2248.4,3758.8 ; 2237.5,3969.7 2253.1,3969.7 ; 2237.5,3976.6 2241.1,3976.6 ; 2237.5,3983.5 2241.7,3983.5 ; 2237.5,4001.5 2240.8,4001.5 ; 2237.5,4008.4 2253.1,4008.4 ; 2237.5,4010.2 2242.3,4010.2 ; 2237.6,3649.3 2245.1,3649.3 ; 2237.6,3746.2 2254.1,3746.2 ; 2237.6,3766.6 2243.9,3766.6 ; 2237.8,3967.9 2242.6,3967.9 ; 2237.8,3994 2240.8,3994 ; 2237.9,3745.9 2253.8,3745.9 ; 2237.9,3759.4 2247.5,3759.4 ; 2238.1,3976.3 2241.1,3976.3 ; 2238.1,3983.8 2241.1,3983.8 ; 2238.1,4001.8 2240.8,4001.8 ; 2238.1,4008.7 2252.5,4008.7 ; 2238.2,3742.6 2253.8,3742.6 ; 2238.2,3745.6 2253.8,3745.6 ; 2238.2,3759.1 2247.8,3759.1 ; 2238.4,3969.4 2252.2,3969.4 ; 2238.4,3976 2241.1,3976 ; 2238.4,3993.7 2240.5,3993.7 ; 2238.4,4002.1 2240.8,4002.1 ; 2238.4,4010.5 2252.2,4010.5 ; 2238.4,4030 2252.2,4030 ; 2238.5,3646.3 2299.1,3646.3 ; 2238.5,3745.3 2253.8,3745.3 ; 2238.7,3967.6 2251.9,3967.6 ; 2238.7,3984.1 2240.8,3984.1 ; 2238.8,3652.9 2330,3652.9 ; 2239,3969.1 2251.3,3969.1 ; 2239,4002.4 2240.8,4002.4 ; 2239,4009 2251.6,4009 ; 2239.1,3742.3 2253.8,3742.3 ; 2239.1,3745 2253.8,3745 ; 2239.1,3766.3 2243.9,3766.3 ; 2239.3,3975.7 2241.1,3975.7 ; 2239.3,3984.4 2240.5,3984.4 ; 2239.3,3993.4 2240.2,3993.4 ; 2239.4,3744.1 2253.8,3744.1 ; 2239.4,3744.4 2253.8,3744.4 ; 2239.4,3744.7 2253.8,3744.7 ; 2239.6,3967.3 2251,3967.3 ; 2239.6,4002.7 2240.5,4002.7 ; 2239.6,4010.8 2251,4010.8 ; 2239.7,3649.6 2247.8,3649.6 ; 2239.7,3741.7 2253.8,3741.7 ; 2239.7,3742 2253.8,3742 ; 2239.9,3975.4 2241.1,3975.4 ; 2239.9,3984.7 2240.2,3984.7 ; 2239.9,3988 2240.5,3988 ; 2239.9,3988.3 2240.5,3988.3 ; 2239.9,3988.6 2240.5,3988.6 ; 2239.9,3988.9 2240.2,3988.9 ; 2239.9,3989.2 2240.2,3989.2 ; 2239.9,3989.5 2240.5,3989.5 ; 2239.9,3989.8 2240.5,3989.8 ; 2239.9,3990.1 2240.5,3990.1 ; 2240,3653.2 2329.7,3653.2 ; 2240,3670.3 2246,3670.3 ; 2240,3740.8 2253.8,3740.8 ; 2240,3741.1 2253.8,3741.1 ; 2240,3741.4 2253.8,3741.4 ; 2240,3766 2243.9,3766 ; 2240.2,3968.8 2250.4,3968.8 ; 2240.2,3987.1 2240.8,3987.1 ; 2240.2,3987.4 2240.5,3987.4 ; 2240.2,3987.7 2240.5,3987.7 ; 2240.2,3990.4 2240.5,3990.4 ; 2240.2,3990.7 2240.5,3990.7 ; 2240.2,3991 2240.8,3991 ; 2240.2,4009.3 2250.7,4009.3 ; 2240.3,3646.6 2300.6,3646.6 ; 2240.3,3739.6 2253.8,3739.6 ; 2240.3,3739.9 2253.8,3739.9 ; 2240.3,3740.2 2253.8,3740.2 ; 2240.3,3740.5 2253.8,3740.5 ; 2240.5,3975.1 2240.8,3975.1 ; 2240.5,3986.5 2241.1,3986.5 ; 2240.5,3986.8 2240.8,3986.8 ; 2240.5,3991.3 2240.8,3991.3 ; 2240.5,3991.6 2241.1,3991.6 ; 2240.6,3737.5 2253.8,3737.5 ; 2240.6,3737.8 2253.8,3737.8 ; 2240.6,3738.1 2253.8,3738.1 ; 2240.6,3738.4 2253.8,3738.4 ; 2240.6,3738.7 2253.8,3738.7 ; 2240.6,3739 2253.8,3739 ; 2240.6,3739.3 2253.8,3739.3 ; 2240.8,3985.9 2241.4,3985.9 ; 2240.8,3986.2 2241.4,3986.2 ; 2240.8,3991.9 2241.1,3991.9 ; 2240.8,3992.2 2241.4,3992.2 ; 2240.8,4011.1 2249.8,4011.1 ; 2240.9,3653.5 2329.7,3653.5 ; 2240.9,3734.8 2253.8,3734.8 ; 2240.9,3735.1 2253.8,3735.1 ; 2240.9,3735.4 2253.8,3735.4 ; 2240.9,3735.7 2253.8,3735.7 ; 2240.9,3736 2253.8,3736 ; 2240.9,3736.3 2253.8,3736.3 ; 2240.9,3736.6 2253.8,3736.6 ; 2240.9,3736.9 2253.8,3736.9 ; 2240.9,3737.2 2253.8,3737.2 ; 2240.9,3765.7 2243.9,3765.7 ; 2241.1,3967 2249.5,3967 ; 2241.1,3985.6 2241.7,3985.6 ; 2241.1,3987.7 2241.7,3987.7 ; 2241.1,3988 2242.3,3988 ; 2241.1,3988.3 2242.3,3988.3 ; 2241.1,3988.6 2241.4,3988.6 ; 2241.1,3988.9 2241.4,3988.9 ; 2241.1,3989.2 2241.4,3989.2 ; 2241.1,3989.5 2241.4,3989.5 ; 2241.1,3989.8 2241.4,3989.8 ; 2241.1,3990.1 2241.7,3990.1 ; 2241.1,3990.4 2241.7,3990.4 ; 2241.1,3992.5 2241.7,3992.5 ; 2241.2,3730.3 2253.8,3730.3 ; 2241.2,3730.6 2253.8,3730.6 ; 2241.2,3730.9 2253.8,3730.9 ; 2241.2,3731.2 2253.8,3731.2 ; 2241.2,3731.5 2253.8,3731.5 ; 2241.2,3731.8 2253.8,3731.8 ; 2241.2,3732.1 2253.8,3732.1 ; 2241.2,3732.4 2253.8,3732.4 ; 2241.2,3732.7 2253.8,3732.7 ; 2241.2,3733 2253.8,3733 ; 2241.2,3733.3 2253.8,3733.3 ; 2241.2,3733.6 2253.8,3733.6 ; 2241.2,3733.9 2253.8,3733.9 ; 2241.2,3734.2 2253.8,3734.2 ; 2241.2,3734.5 2253.8,3734.5 ; 2241.2,3765.4 2243.9,3765.4 ; 2241.4,3985.3 2242,3985.3 ; 2241.4,3987.1 2242,3987.1 ; 2241.4,3987.4 2242,3987.4 ; 2241.4,3990.7 2241.7,3990.7 ; 2241.4,3991 2242,3991 ; 2241.4,3992.8 2242,3992.8 ; 2241.4,4009.6 2248.9,4009.6 ; 2241.4,4029.7 2253.7,4029.7 ; 2241.5,3653.8 2329.4,3653.8 ; 2241.5,3654.1 2329.4,3654.1 ; 2241.5,3654.4 2252.3,3654.4 ; 2241.5,3654.7 2252,3654.7 ; 2241.5,3655 2252,3655 ; 2241.5,3655.3 2252,3655.3 ; 2241.5,3655.6 2252,3655.6 ; 2241.5,3655.9 2252,3655.9 ; 2241.5,3656.2 2252,3656.2 ; 2241.5,3656.5 2252,3656.5 ; 2241.5,3656.8 2252,3656.8 ; 2241.5,3657.1 2251.7,3657.1 ; 2241.5,3657.4 2251.7,3657.4 ; 2241.5,3657.7 2251.7,3657.7 ; 2241.5,3658 2251.7,3658 ; 2241.5,3658.3 2251.7,3658.3 ; 2241.5,3658.6 2251.7,3658.6 ; 2241.5,3658.9 2251.7,3658.9 ; 2241.5,3659.2 2251.7,3659.2 ; 2241.5,3659.5 2251.7,3659.5 ; 2241.5,3659.8 2251.7,3659.8 ; 2241.5,3660.1 2251.4,3660.1 ; 2241.5,3660.4 2251.4,3660.4 ; 2241.5,3660.7 2251.4,3660.7 ; 2241.5,3661 2251.4,3661 ; 2241.5,3661.3 2251.4,3661.3 ; 2241.5,3661.6 2251.4,3661.6 ; 2241.5,3661.9 2251.4,3661.9 ; 2241.5,3662.2 2251.4,3662.2 ; 2241.5,3662.5 2251.4,3662.5 ; 2241.5,3662.8 2251.4,3662.8 ; 2241.5,3663.1 2251.4,3663.1 ; 2241.5,3663.4 2251.4,3663.4 ; 2241.5,3663.7 2251.4,3663.7 ; 2241.5,3664 2251.1,3664 ; 2241.5,3664.3 2251.1,3664.3 ; 2241.5,3664.6 2251.1,3664.6 ; 2241.5,3664.9 2251.1,3664.9 ; 2241.5,3665.2 2251.1,3665.2 ; 2241.5,3665.5 2251.1,3665.5 ; 2241.5,3665.8 2251.1,3665.8 ; 2241.5,3666.1 2251.1,3666.1 ; 2241.5,3666.4 2251.1,3666.4 ; 2241.5,3666.7 2251.1,3666.7 ; 2241.5,3667 2251.1,3667 ; 2241.5,3667.3 2251.1,3667.3 ; 2241.5,3667.6 2251.1,3667.6 ; 2241.5,3667.9 2252.9,3667.9 ; 2241.5,3668.2 2253.5,3668.2 ; 2241.5,3668.5 2253.8,3668.5 ; 2241.5,3724.6 2253.8,3724.6 ; 2241.5,3724.9 2253.8,3724.9 ; 2241.5,3725.2 2253.8,3725.2 ; 2241.5,3725.5 2253.8,3725.5 ; 2241.5,3725.8 2253.8,3725.8 ; 2241.5,3726.1 2253.8,3726.1 ; 2241.5,3726.4 2253.8,3726.4 ; 2241.5,3726.7 2253.8,3726.7 ; 2241.5,3727 2253.8,3727 ; 2241.5,3727.3 2253.8,3727.3 ; 2241.5,3727.6 2253.8,3727.6 ; 2241.5,3727.9 2253.8,3727.9 ; 2241.5,3728.2 2253.8,3728.2 ; 2241.5,3728.5 2253.8,3728.5 ; 2241.5,3728.8 2253.8,3728.8 ; 2241.5,3729.1 2253.8,3729.1 ; 2241.5,3729.4 2253.8,3729.4 ; 2241.5,3729.7 2253.8,3729.7 ; 2241.5,3730 2253.8,3730 ; 2241.7,3968.5 2248.9,3968.5 ; 2241.7,3985 2242.6,3985 ; 2241.7,3986.8 2242.3,3986.8 ; 2241.7,3988.6 2242.3,3988.6 ; 2241.7,3991.3 2242.3,3991.3 ; 2241.7,3993.1 2242.3,3993.1 ; 2241.8,3649.9 2332.7,3649.9 ; 2241.8,3670.6 2246,3670.6 ; 2241.8,3670.9 2246,3670.9 ; 2241.8,3671.2 2246,3671.2 ; 2241.8,3671.5 2246,3671.5 ; 2241.8,3671.8 2246,3671.8 ; 2241.8,3672.1 2246,3672.1 ; 2241.8,3672.4 2246.3,3672.4 ; 2241.8,3672.7 2246.3,3672.7 ; 2241.8,3673 2246.3,3673 ; 2241.8,3673.3 2246.3,3673.3 ; 2241.8,3673.6 2246.3,3673.6 ; 2241.8,3673.9 2246.6,3673.9 ; 2241.8,3674.2 2246.6,3674.2 ; 2241.8,3674.5 2247.2,3674.5 ; 2241.8,3674.8 2249.3,3674.8 ; 2241.8,3675.1 2277.8,3675.1 ; 2241.8,3675.4 2282,3675.4 ; 2241.8,3675.7 2286.5,3675.7 ; 2241.8,3676 2331.2,3676 ; 2241.8,3676.3 2331.2,3676.3 ; 2241.8,3676.6 2331.5,3676.6 ; 2241.8,3676.9 2331.8,3676.9